# Altium PCB PCB4.PcbDoc (part 1 of 12) (continued)
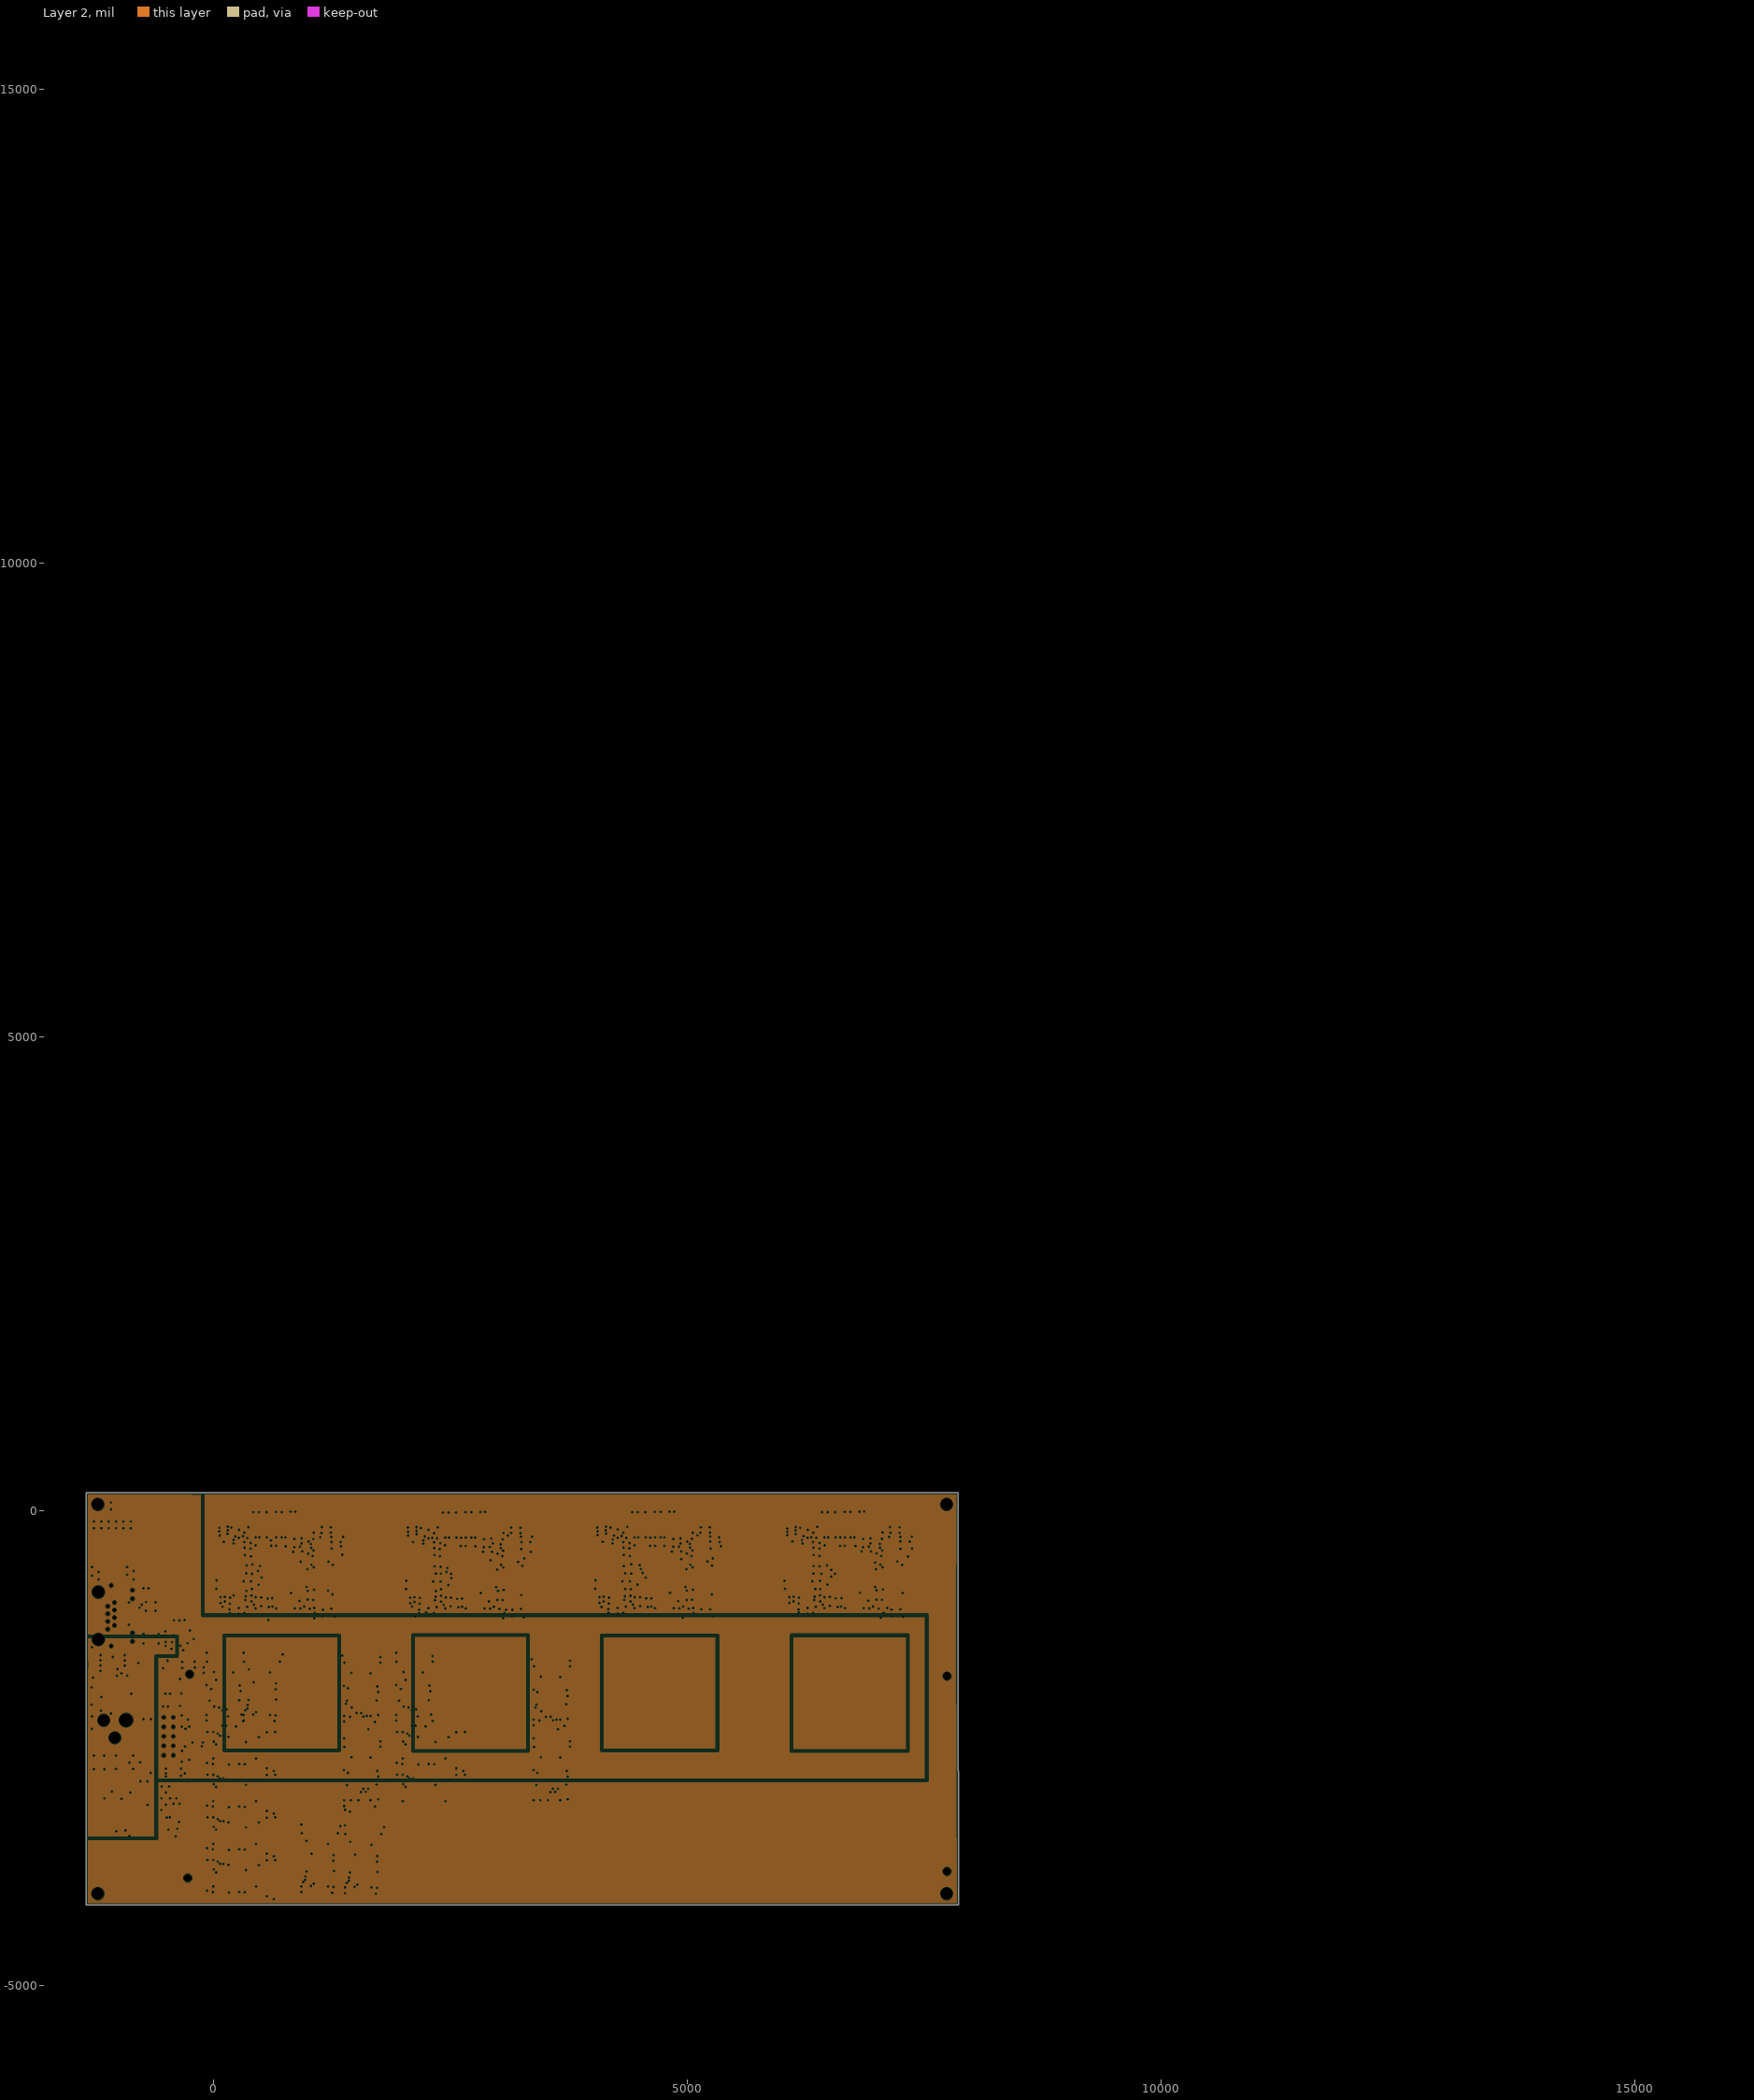
[diagram p3: Layer 2, clearances drawn from the general rule]

## Layer stack, top to bottom
Top Solder: solder mask 0.4, Solder Resist, Dk 3.5
Top Layer: signal copper 1.4
Dielectric 2: prepreg 2.8, PP-006, Dk 4.1
Layer 1: plane copper 1.378, net GND
Dielectric 1: dielectric 12.6, FR-4, Dk 4.8
Layer 2: plane copper 1.378, net (Multiple Nets)
Dielectric 3: prepreg 2.8, PP-006, Dk 4.1
Bottom Layer: signal copper 1.4
Bottom Solder: solder mask 0.4, Solder Resist, Dk 3.5

## Board outline
-1341.26,-4155.75 7863.44,-4155.75 7857.25,-1327.43 7859.59,194.65 -1341.26,194.65

## Design rules (kind name [scope] priority, off if disabled: settings)
Clearance [All] p1: gap=7 ignorepadtopadclearanceinfootprint=TRUE
ComponentClearance [All] p1: gap=0 collisioncheckmode=3 verticalgap=0 showdistances=FALSE
HoleSize [All] p1: absolutevalues=TRUE maxlimit=200 minlimit=1 maxpercent=80.000 minpercent=20.000
MinimumSolderMaskSliver [All] p1: minsoldermaskwidth=0
PlaneClearance [All] p1: clearance=8
PlaneConnect [All] p1: planeconnectstyle=Relief reliefexpansion=10 reliefentries=4 reliefconductorwidth=10 reliefairgap=10
PolygonConnect [All] p1: connectstyle=Relief reliefconductorwidth=10 reliefentries=4 polygonreliefangle="90 Angle" airgapwidth=10
RoomDefinition U_LED_BUFFER41 [InComponentClass('U_LED_BUFFER41')] p1: confinementstyle=ConfineIn formatcopy=TRUE lockcomponents=FALSE outline -6420,-9390 -4420,-9390 -4420,-8390 -6420,-8390
RoomDefinition U_LED_BUFFER31 [InComponentClass('U_LED_BUFFER31')] p2: confinementstyle=ConfineIn formatcopy=TRUE lockcomponents=FALSE outline 7910,-4090 8990,-4090 8990,-3860 7910,-3860
RoomDefinition U_LED_BUFFER11 [InComponentClass('U_LED_BUFFER11')] p3: confinementstyle=ConfineIn formatcopy=TRUE lockcomponents=FALSE outline -6420,-9390 -4420,-9390 -4420,-8390 -6420,-8390
RoomDefinition U_LED_BUFFER21 [InComponentClass('U_LED_BUFFER21')] p4: confinementstyle=ConfineIn formatcopy=TRUE lockcomponents=FALSE outline 7910,-3810 16670,-3810 16670,-3580 7910,-3580
RoomDefinition TOP_LED [InComponentClass('TOP_LED')] p5: confinementstyle=ConfineIn formatcopy=TRUE lockcomponents=FALSE outline -6420,-9390 -4420,-9390 -4420,-8390 -6420,-8390
RoomDefinition Power_ORing [InComponentClass('Power_ORing')] p6: confinementstyle=ConfineIn formatcopy=TRUE lockcomponents=FALSE outline -6420,-9390 -4420,-9390 -4420,-8390 -6420,-8390
RoomDefinition Power [InComponentClass('Power')] p7: confinementstyle=ConfineIn formatcopy=TRUE lockcomponents=FALSE outline -6420,-9390 -4420,-9390 -4420,-8390 -6420,-8390
RoomDefinition U_LED_BUFFER104 [InComponentClass('U_LED_BUFFER104')] p8: confinementstyle=ConfineIn formatcopy=TRUE lockcomponents=FALSE outline 7906.74,15007.59 10116.74,15007.59 10116.74,15377.59 7906.74,15377.59
RoomDefinition U_LED_BUFFER103 [InComponentClass('U_LED_BUFFER103')] p9: confinementstyle=ConfineIn formatcopy=TRUE lockcomponents=FALSE outline 7906.74,10176.89 10116.74,10176.89 10116.74,10546.89 7906.74,10546.89
RoomDefinition U_LED_BUFFER102 [InComponentClass('U_LED_BUFFER102')] p10: confinementstyle=ConfineIn formatcopy=TRUE lockcomponents=FALSE outline 7906.74,5346.19 10116.74,5346.19 10116.74,5716.19 7906.74,5716.19
RoomDefinition U_LED_BUFFER101 [InComponentClass('U_LED_BUFFER101')] p11: confinementstyle=ConfineIn formatcopy=TRUE lockcomponents=FALSE outline 7906.74,515.49 10116.74,515.49 10116.74,885.49 7906.74,885.49
RoomDefinition U_LED_BUFFER94 [InComponentClass('U_LED_BUFFER94')] p12: confinementstyle=ConfineIn formatcopy=TRUE lockcomponents=FALSE outline 7906.74,14527.28 10116.74,14527.28 10116.74,14897.28 7906.74,14897.28
RoomDefinition U_LED_BUFFER93 [InComponentClass('U_LED_BUFFER93')] p13: confinementstyle=ConfineIn formatcopy=TRUE lockcomponents=FALSE outline 7906.74,9696.58 10116.74,9696.58 10116.74,10066.58 7906.74,10066.58
RoomDefinition U_LED_BUFFER92 [InComponentClass('U_LED_BUFFER92')] p14: confinementstyle=ConfineIn formatcopy=TRUE lockcomponents=FALSE outline 7906.74,4865.88 10116.74,4865.88 10116.74,5235.88 7906.74,5235.88
RoomDefinition U_LED_BUFFER91 [InComponentClass('U_LED_BUFFER91')] p15: confinementstyle=ConfineIn formatcopy=TRUE lockcomponents=FALSE outline 7906.74,35.18 10116.74,35.18 10116.74,405.18 7906.74,405.18
RoomDefinition U_LED_BUFFER84 [InComponentClass('U_LED_BUFFER84')] p16: confinementstyle=ConfineIn formatcopy=TRUE lockcomponents=FALSE outline 7906.74,14043.02 10116.74,14043.02 10116.74,14413.02 7906.74,14413.02
RoomDefinition U_LED_BUFFER83 [InComponentClass('U_LED_BUFFER83')] p17: confinementstyle=ConfineIn formatcopy=TRUE lockcomponents=FALSE outline 7906.74,9212.33 10116.74,9212.33 10116.74,9582.33 7906.74,9582.33
RoomDefinition U_LED_BUFFER82 [InComponentClass('U_LED_BUFFER82')] p18: confinementstyle=ConfineIn formatcopy=TRUE lockcomponents=FALSE outline 7906.74,4381.63 10116.74,4381.63 10116.74,4751.63 7906.74,4751.63
RoomDefinition U_LED_BUFFER81 [InComponentClass('U_LED_BUFFER81')] p19: confinementstyle=ConfineIn formatcopy=TRUE lockcomponents=FALSE outline 7906.74,-449.07 10116.74,-449.07 10116.74,-79.07 7906.74,-79.07
RoomDefinition U_LED_BUFFER74 [InComponentClass('U_LED_BUFFER74')] p20: confinementstyle=ConfineIn formatcopy=TRUE lockcomponents=FALSE outline 7906.74,13558.77 10116.74,13558.77 10116.74,13928.77 7906.74,13928.77
RoomDefinition U_LED_BUFFER73 [InComponentClass('U_LED_BUFFER73')] p21: confinementstyle=ConfineIn formatcopy=TRUE lockcomponents=FALSE outline 7906.74,8728.07 10116.74,8728.07 10116.74,9098.07 7906.74,9098.07
RoomDefinition U_LED_BUFFER72 [InComponentClass('U_LED_BUFFER72')] p22: confinementstyle=ConfineIn formatcopy=TRUE lockcomponents=FALSE outline 7906.74,3897.38 10116.74,3897.38 10116.74,4267.38 7906.74,4267.38
RoomDefinition U_LED_BUFFER71 [InComponentClass('U_LED_BUFFER71')] p23: confinementstyle=ConfineIn formatcopy=TRUE lockcomponents=FALSE outline 7906.74,-933.32 10116.74,-933.32 10116.74,-563.32 7906.74,-563.32
RoomDefinition U_LED_BUFFER64 [InComponentClass('U_LED_BUFFER64')] p24: confinementstyle=ConfineIn formatcopy=TRUE lockcomponents=FALSE outline 7906.74,13074.52 10116.74,13074.52 10116.74,13444.52 7906.74,13444.52
RoomDefinition U_LED_BUFFER63 [InComponentClass('U_LED_BUFFER63')] p25: confinementstyle=ConfineIn formatcopy=TRUE lockcomponents=FALSE outline 7906.74,8243.82 10116.74,8243.82 10116.74,8613.82 7906.74,8613.82
RoomDefinition U_LED_BUFFER62 [InComponentClass('U_LED_BUFFER62')] p26: confinementstyle=ConfineIn formatcopy=TRUE lockcomponents=FALSE outline 7906.74,3413.12 10116.74,3413.12 10116.74,3783.12 7906.74,3783.12
RoomDefinition U_LED_BUFFER61 [InComponentClass('U_LED_BUFFER61')] p27: confinementstyle=ConfineIn formatcopy=TRUE lockcomponents=FALSE outline 7906.74,-1417.57 10116.74,-1417.57 10116.74,-1047.57 7906.74,-1047.57
RoomDefinition U_LED_BUFFER54 [InComponentClass('U_LED_BUFFER54')] p28: confinementstyle=ConfineIn formatcopy=TRUE lockcomponents=FALSE outline 7906.74,12594.21 10116.74,12594.21 10116.74,12964.21 7906.74,12964.21
RoomDefinition U_LED_BUFFER53 [InComponentClass('U_LED_BUFFER53')] p29: confinementstyle=ConfineIn formatcopy=TRUE lockcomponents=FALSE outline 7906.74,7763.51 10116.74,7763.51 10116.74,8133.51 7906.74,8133.51
RoomDefinition U_LED_BUFFER52 [InComponentClass('U_LED_BUFFER52')] p30: confinementstyle=ConfineIn formatcopy=TRUE lockcomponents=FALSE outline 7906.74,2932.81 10116.74,2932.81 10116.74,3302.81 7906.74,3302.81
RoomDefinition U_LED_BUFFER51 [InComponentClass('U_LED_BUFFER51')] p31: confinementstyle=ConfineIn formatcopy=TRUE lockcomponents=FALSE outline 7906.74,-1897.89 10116.74,-1897.89 10116.74,-1527.89 7906.74,-1527.89
RoomDefinition U_LED_BUFFER44 [InComponentClass('U_LED_BUFFER44')] p32: confinementstyle=ConfineIn formatcopy=TRUE lockcomponents=FALSE outline 7906.74,12109.96 10116.74,12109.96 10116.74,12479.96 7906.74,12479.96
RoomDefinition U_LED_BUFFER43 [InComponentClass('U_LED_BUFFER43')] p33: confinementstyle=ConfineIn formatcopy=TRUE lockcomponents=FALSE outline 7906.74,7279.26 10116.74,7279.26 10116.74,7649.26 7906.74,7649.26
RoomDefinition U_LED_BUFFER42 [InComponentClass('U_LED_BUFFER42')] p34: confinementstyle=ConfineIn formatcopy=TRUE lockcomponents=FALSE outline 7906.74,2448.56 10116.74,2448.56 10116.74,2818.56 7906.74,2818.56
RoomDefinition U_LED_BUFFER34 [InComponentClass('U_LED_BUFFER34')] p35: confinementstyle=ConfineIn formatcopy=TRUE lockcomponents=FALSE outline 7906.74,11625.71 10116.74,11625.71 10116.74,11995.71 7906.74,11995.71
RoomDefinition U_LED_BUFFER33 [InComponentClass('U_LED_BUFFER33')] p36: confinementstyle=ConfineIn formatcopy=TRUE lockcomponents=FALSE outline 7906.74,6795.01 10116.74,6795.01 10116.74,7165.01 7906.74,7165.01
RoomDefinition U_LED_BUFFER32 [InComponentClass('U_LED_BUFFER32')] p37: confinementstyle=ConfineIn formatcopy=TRUE lockcomponents=FALSE outline 7906.74,1964.31 10116.74,1964.31 10116.74,2334.31 7906.74,2334.31
RoomDefinition U_LED_BUFFER24 [InComponentClass('U_LED_BUFFER24')] p38: confinementstyle=ConfineIn formatcopy=TRUE lockcomponents=FALSE outline 7906.74,11145.39 10116.74,11145.39 10116.74,11515.39 7906.74,11515.39
RoomDefinition U_LED_BUFFER23 [InComponentClass('U_LED_BUFFER23')] p39: confinementstyle=ConfineIn formatcopy=TRUE lockcomponents=FALSE outline 7906.74,6314.69 10116.74,6314.69 10116.74,6684.69 7906.74,6684.69
RoomDefinition U_LED_BUFFER22 [InComponentClass('U_LED_BUFFER22')] p40: confinementstyle=ConfineIn formatcopy=TRUE lockcomponents=FALSE outline 7906.74,1483.99 10116.74,1483.99 10116.74,1853.99 7906.74,1853.99
RoomDefinition U_LED_BUFFER14 [InComponentClass('U_LED_BUFFER14')] p41: confinementstyle=ConfineIn formatcopy=TRUE lockcomponents=FALSE outline 7906.74,10661.14 10116.74,10661.14 10116.74,11031.14 7906.74,11031.14
RoomDefinition U_LED_BUFFER13 [InComponentClass('U_LED_BUFFER13')] p42: confinementstyle=ConfineIn formatcopy=TRUE lockcomponents=FALSE outline 7906.74,5830.44 10116.74,5830.44 10116.74,6200.44 7906.74,6200.44
RoomDefinition U_LED_BUFFER12 [InComponentClass('U_LED_BUFFER12')] p43: confinementstyle=ConfineIn formatcopy=TRUE lockcomponents=FALSE outline 7906.74,999.74 10116.74,999.74 10116.74,1369.74 7906.74,1369.74
RoomDefinition POWER1 [InComponentClass('POWER1')] p44: confinementstyle=ConfineIn formatcopy=TRUE lockcomponents=FALSE outline 80,-1150 1380,-1150 1380,-140 80,-140
RoomDefinition POWER2 [InComponentClass('POWER2')] p45: confinementstyle=ConfineIn formatcopy=TRUE lockcomponents=FALSE outline 2080,-1160 3380,-1160 3380,-140 2080,-140
RoomDefinition POWER3 [InComponentClass('POWER3')] p46: confinementstyle=ConfineIn formatcopy=TRUE lockcomponents=FALSE outline 4080,-1150 5380,-1150 5380,-140 4080,-140
RoomDefinition POWER4 [InComponentClass('POWER4')] p47: confinementstyle=ConfineIn formatcopy=TRUE lockcomponents=FALSE outline 6080,-1150 7380,-1150 7380,-140 6080,-140
RoomDefinition IO2 [InComponentClass('IO2')] p48: confinementstyle=ConfineIn formatcopy=TRUE lockcomponents=FALSE outline 2000,-1110 3310,-1110 3310,0 2000,0
RoomDefinition IO4 [InComponentClass('IO4')] p49: confinementstyle=ConfineIn formatcopy=TRUE lockcomponents=FALSE outline 6000,-1110 7310,-1110 7310,10 6000,10
RoomDefinition IO3 [InComponentClass('IO3')] p50: confinementstyle=ConfineIn formatcopy=TRUE lockcomponents=FALSE outline 4000,-1110 5310,-1110 5310,10 4000,10
RoomDefinition IO1 [InComponentClass('IO1')] p51: confinementstyle=ConfineIn formatcopy=TRUE lockcomponents=FALSE outline 0,-1110 1310,-1110 1310,0 0,0
RoutingVias [All] p1: holewidth=12 width=24 viastyle="Through Hole" minholewidth=12 minwidth=24 maxholewidth=28 maxwidth=50
SilkToSilkClearance [All] p1: silktosilkclearance=0
SilkToSolderMaskClearance [IsPad] p1: minsilkscreentomaskgap=0 clearancetoexposedcopper=TRUE
SolderMaskExpansion [All] p1: expansion=4 istentingtop=FALSE
Width [All] p1: maxlimit=50 minlimit=7 preferedwidth=7 minimp=50.000000 maximp=50.000000 favimp=50.000000
23 further rules are at their usual default settings.

## Classes and differential pairs
channel class FPGA_POWER: POWER1 POWER2 POWER3 POWER4
component class POWER4: C2_POWER4 C3_POWER4 C4_POWER4 C5_POWER4 C6_POWER4 C7_POWER4 C9_POWER4 C10_POWER4 C11_POWER4 C12_POWER4 C13_POWER4 C15_POWER4 C16_POWER4 C17_POWER4 C23_POWER4 C24_POWER4 C45_POWER4 C46_POWER4 C47_POWER4 C48_POWER4 C49_POWER4 C51_POWER4 C52_POWER4 C53_POWER4 C54_POWER4 C55_POWER4 C56_POWER4 C57_POWER4 C58_POWER4 C59_POWER4 C60_POWER4 C61_POWER4 C62_POWER4 C64_POWER4 C65_POWER4 C66_POWER4 C67_POWER4 C68_POWER4 C69_POWER4 C70_POWER4 C71_POWER4 C72_POWER4 L1_POWER4 L3_POWER4
component class POWER3: C2_POWER3 C3_POWER3 C4_POWER3 C5_POWER3 C6_POWER3 C7_POWER3 C9_POWER3 C10_POWER3 C11_POWER3 C12_POWER3 C13_POWER3 C15_POWER3 C16_POWER3 C17_POWER3 C23_POWER3 C24_POWER3 C45_POWER3 C46_POWER3 C47_POWER3 C48_POWER3 C49_POWER3 C51_POWER3 C52_POWER3 C53_POWER3 C54_POWER3 C55_POWER3 C56_POWER3 C57_POWER3 C58_POWER3 C59_POWER3 C60_POWER3 C61_POWER3 C62_POWER3 C64_POWER3 C65_POWER3 C66_POWER3 C67_POWER3 C68_POWER3 C69_POWER3 C70_POWER3 C71_POWER3 C72_POWER3 L1_POWER3 L3_POWER3
component class POWER2: C2_POWER2 C3_POWER2 C4_POWER2 C5_POWER2 C6_POWER2 C7_POWER2 C9_POWER2 C10_POWER2 C11_POWER2 C12_POWER2 C13_POWER2 C15_POWER2 C16_POWER2 C17_POWER2 C23_POWER2 C24_POWER2 C45_POWER2 C46_POWER2 C47_POWER2 C48_POWER2 C49_POWER2 C51_POWER2 C52_POWER2 C53_POWER2 C54_POWER2 C55_POWER2 C56_POWER2 C57_POWER2 C58_POWER2 C59_POWER2 C60_POWER2 C61_POWER2 C62_POWER2 C64_POWER2 C65_POWER2 C66_POWER2 C67_POWER2 C68_POWER2 C69_POWER2 C70_POWER2 C71_POWER2 C72_POWER2 L1_POWER2 L3_POWER2
component class POWER1: C2_POWER1 C3_POWER1 C4_POWER1 C5_POWER1 C6_POWER1 C7_POWER1 C9_POWER1 C10_POWER1 C11_POWER1 C12_POWER1 C13_POWER1 C15_POWER1 C16_POWER1 C17_POWER1 C23_POWER1 C24_POWER1 C45_POWER1 C46_POWER1 C47_POWER1 C48_POWER1 C49_POWER1 C51_POWER1 C52_POWER1 C53_POWER1 C54_POWER1 C55_POWER1 C56_POWER1 C57_POWER1 C58_POWER1 C59_POWER1 C60_POWER1 C61_POWER1 C62_POWER1 C64_POWER1 C65_POWER1 C66_POWER1 C67_POWER1 C68_POWER1 C69_POWER1 C70_POWER1 C71_POWER1 C72_POWER1 L1_POWER1 L3_POWER1
channel class LED_BUFFER_1xFPGA: U_LED_BUFFER_1xFPGA1 U_LED_BUFFER_1xFPGA2 U_LED_BUFFER_1xFPGA3 U_LED_BUFFER_1xFPGA4
channel class LED_BUFFER: U_LED_BUFFER11 U_LED_BUFFER12 U_LED_BUFFER13 U_LED_BUFFER14 U_LED_BUFFER21 U_LED_BUFFER22 U_LED_BUFFER23 U_LED_BUFFER24 U_LED_BUFFER31 U_LED_BUFFER32 U_LED_BUFFER33 U_LED_BUFFER34 U_LED_BUFFER41 U_LED_BUFFER42 U_LED_BUFFER43 U_LED_BUFFER44 U_LED_BUFFER51 U_LED_BUFFER52 U_LED_BUFFER53 U_LED_BUFFER54 U_LED_BUFFER61 U_LED_BUFFER62 U_LED_BUFFER63 U_LED_BUFFER64 U_LED_BUFFER71 U_LED_BUFFER72 U_LED_BUFFER73 U_LED_BUFFER74 U_LED_BUFFER81 U_LED_BUFFER82 U_LED_BUFFER83 U_LED_BUFFER84 U_LED_BUFFER91 U_LED_BUFFER92 U_LED_BUFFER93 U_LED_BUFFER94 U_LED_BUFFER101 U_LED_BUFFER102 U_LED_BUFFER103 U_LED_BUFFER104
component class U_LED_BUFFER104: C28_U_LED_BUFFER104 C31_U_LED_BUFFER104 C32_U_LED_BUFFER104 C33_U_LED_BUFFER104 C34_U_LED_BUFFER104 C35_U_LED_BUFFER104 D7_U_LED_BUFFER104 D8_U_LED_BUFFER104 D9_U_LED_BUFFER104 D10_U_LED_BUFFER104 D11_U_LED_BUFFER104 D12_U_LED_BUFFER104 D13_U_LED_BUFFER104 D14_U_LED_BUFFER104 R9_U_LED_BUFFER104 R17_U_LED_BUFFER104 R19_U_LED_BUFFER104 R22_U_LED_BUFFER104 R26_U_LED_BUFFER104 R27_U_LED_BUFFER104 R45_U_LED_BUFFER104 R46_U_LED_BUFFER104 R47_U_LED_BUFFER104 R48_U_LED_BUFFER104 R49_U_LED_BUFFER104 R50_U_LED_BUFFER104 R51_U_LED_BUFFER104 R52_U_LED_BUFFER104 R53_U_LED_BUFFER104 R54_U_LED_BUFFER104 U4_U_LED_BUFFER104 U7_U_LED_BUFFER104
component class U_LED_BUFFER103: C28_U_LED_BUFFER103 C31_U_LED_BUFFER103 C32_U_LED_BUFFER103 C33_U_LED_BUFFER103 C34_U_LED_BUFFER103 C35_U_LED_BUFFER103 D7_U_LED_BUFFER103 D8_U_LED_BUFFER103 D9_U_LED_BUFFER103 D10_U_LED_BUFFER103 D11_U_LED_BUFFER103 D12_U_LED_BUFFER103 D13_U_LED_BUFFER103 D14_U_LED_BUFFER103 R9_U_LED_BUFFER103 R17_U_LED_BUFFER103 R19_U_LED_BUFFER103 R22_U_LED_BUFFER103 R26_U_LED_BUFFER103 R27_U_LED_BUFFER103 R45_U_LED_BUFFER103 R46_U_LED_BUFFER103 R47_U_LED_BUFFER103 R48_U_LED_BUFFER103 R49_U_LED_BUFFER103 R50_U_LED_BUFFER103 R51_U_LED_BUFFER103 R52_U_LED_BUFFER103 R53_U_LED_BUFFER103 R54_U_LED_BUFFER103 U4_U_LED_BUFFER103 U7_U_LED_BUFFER103
component class U_LED_BUFFER102: C28_U_LED_BUFFER102 C31_U_LED_BUFFER102 C32_U_LED_BUFFER102 C33_U_LED_BUFFER102 C34_U_LED_BUFFER102 C35_U_LED_BUFFER102 D7_U_LED_BUFFER102 D8_U_LED_BUFFER102 D9_U_LED_BUFFER102 D10_U_LED_BUFFER102 D11_U_LED_BUFFER102 D12_U_LED_BUFFER102 D13_U_LED_BUFFER102 D14_U_LED_BUFFER102 R9_U_LED_BUFFER102 R17_U_LED_BUFFER102 R19_U_LED_BUFFER102 R22_U_LED_BUFFER102 R26_U_LED_BUFFER102 R27_U_LED_BUFFER102 R45_U_LED_BUFFER102 R46_U_LED_BUFFER102 R47_U_LED_BUFFER102 R48_U_LED_BUFFER102 R49_U_LED_BUFFER102 R50_U_LED_BUFFER102 R51_U_LED_BUFFER102 R52_U_LED_BUFFER102 R53_U_LED_BUFFER102 R54_U_LED_BUFFER102 U4_U_LED_BUFFER102 U7_U_LED_BUFFER102
component class U_LED_BUFFER101: C28_U_LED_BUFFER101 C31_U_LED_BUFFER101 C32_U_LED_BUFFER101 C33_U_LED_BUFFER101 C34_U_LED_BUFFER101 C35_U_LED_BUFFER101 D7_U_LED_BUFFER101 D8_U_LED_BUFFER101 D9_U_LED_BUFFER101 D10_U_LED_BUFFER101 D11_U_LED_BUFFER101 D12_U_LED_BUFFER101 D13_U_LED_BUFFER101 D14_U_LED_BUFFER101 R9_U_LED_BUFFER101 R17_U_LED_BUFFER101 R19_U_LED_BUFFER101 R22_U_LED_BUFFER101 R26_U_LED_BUFFER101 R27_U_LED_BUFFER101 R45_U_LED_BUFFER101 R46_U_LED_BUFFER101 R47_U_LED_BUFFER101 R48_U_LED_BUFFER101 R49_U_LED_BUFFER101 R50_U_LED_BUFFER101 R51_U_LED_BUFFER101 R52_U_LED_BUFFER101 R53_U_LED_BUFFER101 R54_U_LED_BUFFER101 U4_U_LED_BUFFER101 U7_U_LED_BUFFER101
component class U_LED_BUFFER94: C28_U_LED_BUFFER94 C31_U_LED_BUFFER94 C32_U_LED_BUFFER94 C33_U_LED_BUFFER94 C34_U_LED_BUFFER94 C35_U_LED_BUFFER94 D7_U_LED_BUFFER94 D8_U_LED_BUFFER94 D9_U_LED_BUFFER94 D10_U_LED_BUFFER94 D11_U_LED_BUFFER94 D12_U_LED_BUFFER94 D13_U_LED_BUFFER94 D14_U_LED_BUFFER94 R9_U_LED_BUFFER94 R17_U_LED_BUFFER94 R19_U_LED_BUFFER94 R22_U_LED_BUFFER94 R26_U_LED_BUFFER94 R27_U_LED_BUFFER94 R45_U_LED_BUFFER94 R46_U_LED_BUFFER94 R47_U_LED_BUFFER94 R48_U_LED_BUFFER94 R49_U_LED_BUFFER94 R50_U_LED_BUFFER94 R51_U_LED_BUFFER94 R52_U_LED_BUFFER94 R53_U_LED_BUFFER94 R54_U_LED_BUFFER94 U4_U_LED_BUFFER94 U7_U_LED_BUFFER94
component class U_LED_BUFFER93: C28_U_LED_BUFFER93 C31_U_LED_BUFFER93 C32_U_LED_BUFFER93 C33_U_LED_BUFFER93 C34_U_LED_BUFFER93 C35_U_LED_BUFFER93 D7_U_LED_BUFFER93 D8_U_LED_BUFFER93 D9_U_LED_BUFFER93 D10_U_LED_BUFFER93 D11_U_LED_BUFFER93 D12_U_LED_BUFFER93 D13_U_LED_BUFFER93 D14_U_LED_BUFFER93 R9_U_LED_BUFFER93 R17_U_LED_BUFFER93 R19_U_LED_BUFFER93 R22_U_LED_BUFFER93 R26_U_LED_BUFFER93 R27_U_LED_BUFFER93 R45_U_LED_BUFFER93 R46_U_LED_BUFFER93 R47_U_LED_BUFFER93 R48_U_LED_BUFFER93 R49_U_LED_BUFFER93 R50_U_LED_BUFFER93 R51_U_LED_BUFFER93 R52_U_LED_BUFFER93 R53_U_LED_BUFFER93 R54_U_LED_BUFFER93 U4_U_LED_BUFFER93 U7_U_LED_BUFFER93
component class U_LED_BUFFER92: C28_U_LED_BUFFER92 C31_U_LED_BUFFER92 C32_U_LED_BUFFER92 C33_U_LED_BUFFER92 C34_U_LED_BUFFER92 C35_U_LED_BUFFER92 D7_U_LED_BUFFER92 D8_U_LED_BUFFER92 D9_U_LED_BUFFER92 D10_U_LED_BUFFER92 D11_U_LED_BUFFER92 D12_U_LED_BUFFER92 D13_U_LED_BUFFER92 D14_U_LED_BUFFER92 R9_U_LED_BUFFER92 R17_U_LED_BUFFER92 R19_U_LED_BUFFER92 R22_U_LED_BUFFER92 R26_U_LED_BUFFER92 R27_U_LED_BUFFER92 R45_U_LED_BUFFER92 R46_U_LED_BUFFER92 R47_U_LED_BUFFER92 R48_U_LED_BUFFER92 R49_U_LED_BUFFER92 R50_U_LED_BUFFER92 R51_U_LED_BUFFER92 R52_U_LED_BUFFER92 R53_U_LED_BUFFER92 R54_U_LED_BUFFER92 U4_U_LED_BUFFER92 U7_U_LED_BUFFER92
component class U_LED_BUFFER91: C28_U_LED_BUFFER91 C31_U_LED_BUFFER91 C32_U_LED_BUFFER91 C33_U_LED_BUFFER91 C34_U_LED_BUFFER91 C35_U_LED_BUFFER91 D7_U_LED_BUFFER91 D8_U_LED_BUFFER91 D9_U_LED_BUFFER91 D10_U_LED_BUFFER91 D11_U_LED_BUFFER91 D12_U_LED_BUFFER91 D13_U_LED_BUFFER91 D14_U_LED_BUFFER91 R9_U_LED_BUFFER91 R17_U_LED_BUFFER91 R19_U_LED_BUFFER91 R22_U_LED_BUFFER91 R26_U_LED_BUFFER91 R27_U_LED_BUFFER91 R45_U_LED_BUFFER91 R46_U_LED_BUFFER91 R47_U_LED_BUFFER91 R48_U_LED_BUFFER91 R49_U_LED_BUFFER91 R50_U_LED_BUFFER91 R51_U_LED_BUFFER91 R52_U_LED_BUFFER91 R53_U_LED_BUFFER91 R54_U_LED_BUFFER91 U4_U_LED_BUFFER91 U7_U_LED_BUFFER91
component class U_LED_BUFFER84: C28_U_LED_BUFFER84 C31_U_LED_BUFFER84 C32_U_LED_BUFFER84 C33_U_LED_BUFFER84 C34_U_LED_BUFFER84 C35_U_LED_BUFFER84 D7_U_LED_BUFFER84 D8_U_LED_BUFFER84 D9_U_LED_BUFFER84 D10_U_LED_BUFFER84 D11_U_LED_BUFFER84 D12_U_LED_BUFFER84 D13_U_LED_BUFFER84 D14_U_LED_BUFFER84 R9_U_LED_BUFFER84 R17_U_LED_BUFFER84 R19_U_LED_BUFFER84 R22_U_LED_BUFFER84 R26_U_LED_BUFFER84 R27_U_LED_BUFFER84 R45_U_LED_BUFFER84 R46_U_LED_BUFFER84 R47_U_LED_BUFFER84 R48_U_LED_BUFFER84 R49_U_LED_BUFFER84 R50_U_LED_BUFFER84 R51_U_LED_BUFFER84 R52_U_LED_BUFFER84 R53_U_LED_BUFFER84 R54_U_LED_BUFFER84 U4_U_LED_BUFFER84 U7_U_LED_BUFFER84
component class U_LED_BUFFER83: C28_U_LED_BUFFER83 C31_U_LED_BUFFER83 C32_U_LED_BUFFER83 C33_U_LED_BUFFER83 C34_U_LED_BUFFER83 C35_U_LED_BUFFER83 D7_U_LED_BUFFER83 D8_U_LED_BUFFER83 D9_U_LED_BUFFER83 D10_U_LED_BUFFER83 D11_U_LED_BUFFER83 D12_U_LED_BUFFER83 D13_U_LED_BUFFER83 D14_U_LED_BUFFER83 R9_U_LED_BUFFER83 R17_U_LED_BUFFER83 R19_U_LED_BUFFER83 R22_U_LED_BUFFER83 R26_U_LED_BUFFER83 R27_U_LED_BUFFER83 R45_U_LED_BUFFER83 R46_U_LED_BUFFER83 R47_U_LED_BUFFER83 R48_U_LED_BUFFER83 R49_U_LED_BUFFER83 R50_U_LED_BUFFER83 R51_U_LED_BUFFER83 R52_U_LED_BUFFER83 R53_U_LED_BUFFER83 R54_U_LED_BUFFER83 U4_U_LED_BUFFER83 U7_U_LED_BUFFER83